# Altium PCB LimeSDR-Micro_M.2_1v0.PcbDoc (part 6 of 7)
Units mm, origin at the board's own origin, x right, y up, seen from the top; angles counter-clockwise.
Board outline 80 x 22 mm, 8 copper layers (Top, L2, L3, L4, L5, L6, L7, Bottom), stack 0.775 mm thick; 661 components, 371 nets, 2334 pads, 807 vias.
Unrouted connection lines stored in the file: 254.
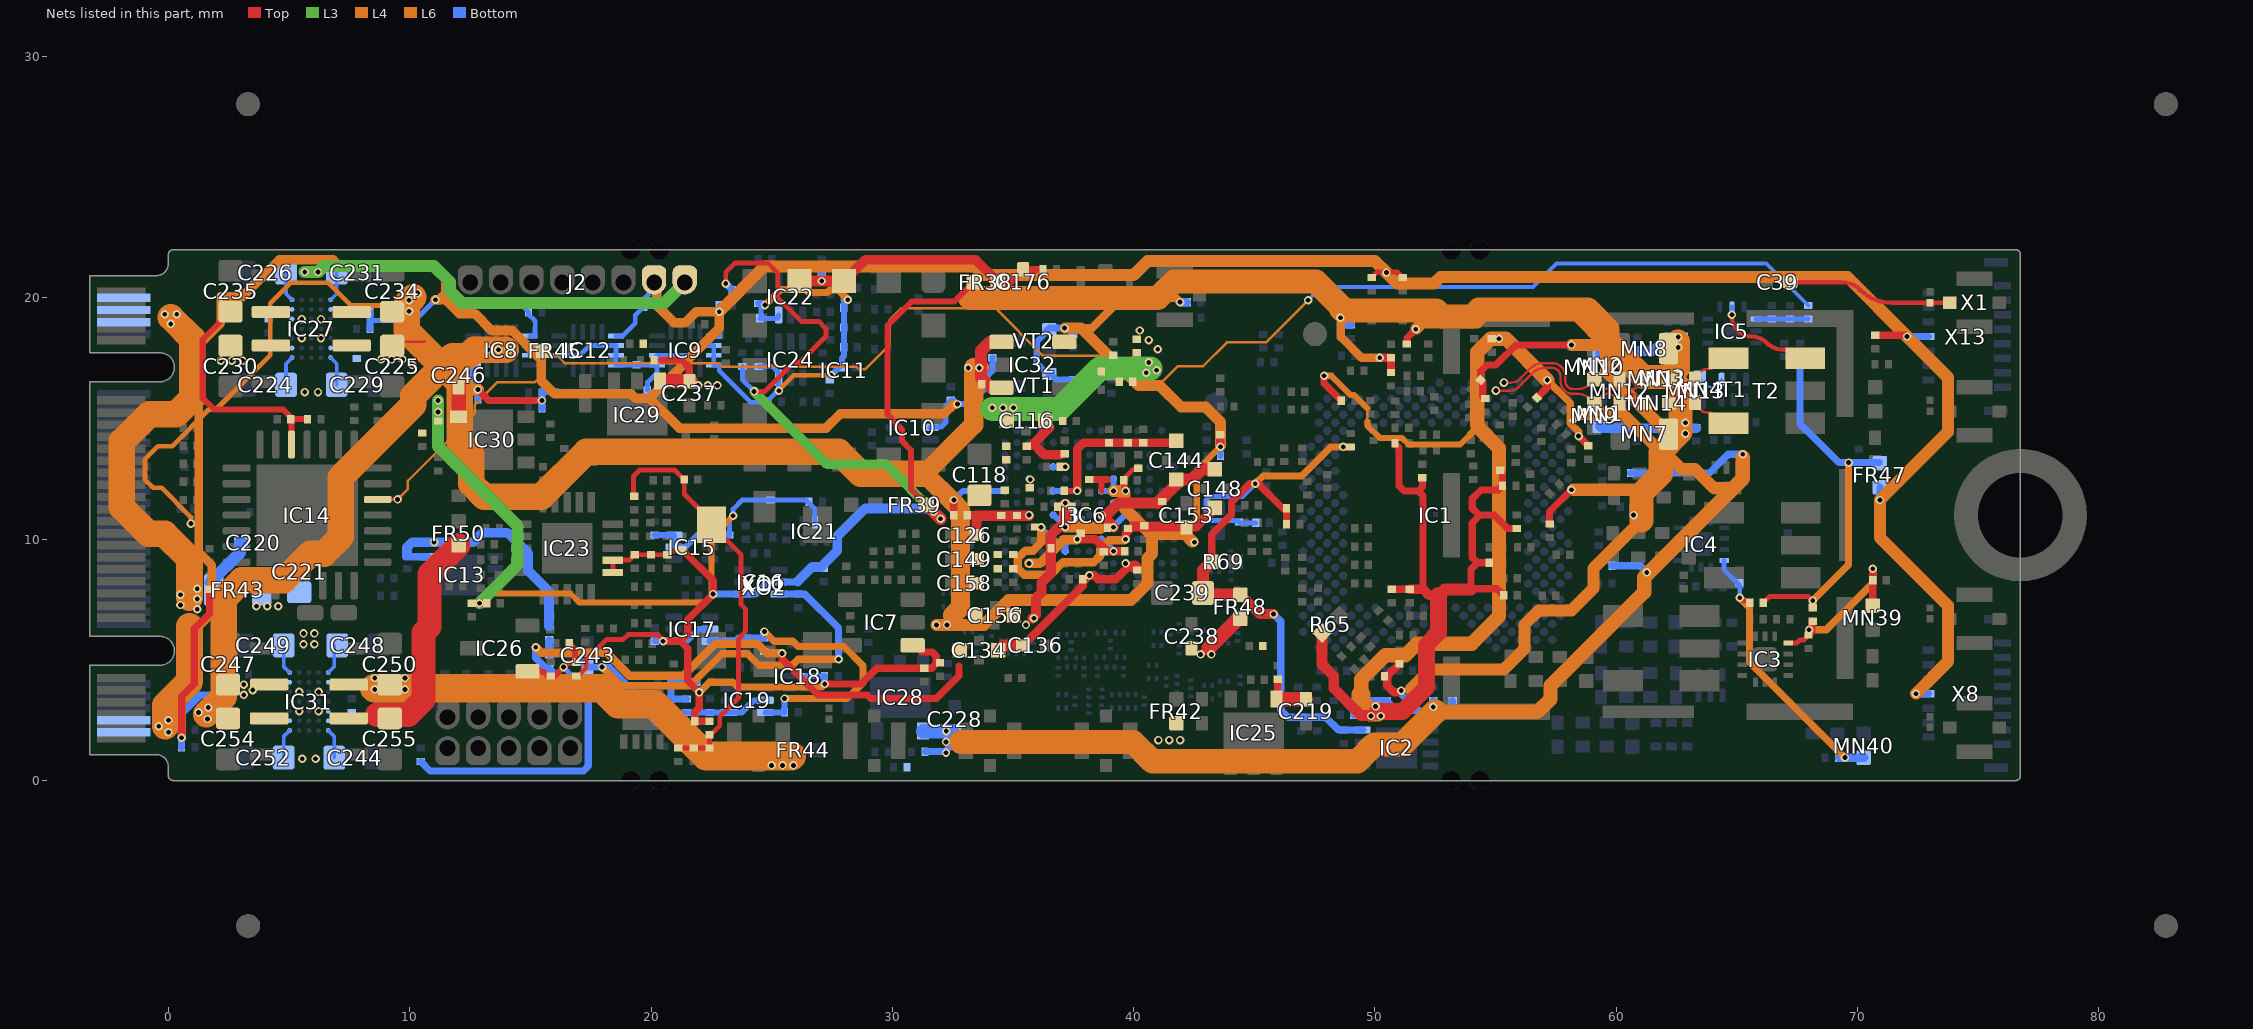
[diagram p12: the nets of this part, all layers, seen from the top]

## Via types
v1: diameter 0.35, hole 0.2, Top to Bottom, tented both sides, 696 vias
v2: diameter 0.35, hole 0.2, L5 to Bottom, tented both sides, 73 vias
v3: diameter 0.4, hole 0.2, Top to Bottom, tented both sides, 30 vias
v4: diameter 0.5, hole 0.2, Top to Bottom, tented both sides, 8 vias

## Nets (pads, with @x,y where several pads share a name; then routed paths per layer and width w, separated by ;. In a path a pad name is that pad's centre, name@x,y a point inside that pad or via, vN(x,y) a via of type N, cw(c..) or ccw(c..) an arc to the next point about the centre after c; other vN are vias at no path point) (continued)
TX1_1_B_P: MN3.2 MN4.1 T1.4 | length 2.6
  Bottom w0.1: MN3.2@62.416,16.7 62.709,16.407 ccw(c62.967,16.665) 62.966,16.3 ; 62.966,16.3 ccw(c62.965,16.665) 63.222,16.407 MN4.1@63.466,16.65 ; MN4.1@63.441,16.675 MN4.1@63.466,16.65 ; MN4.1@63.491,16.675 MN4.1@63.466,16.65 ; T1.4@64.367,16.625 ccw(c64.487,16.504) 64.317,16.504 cw(c64.112,16.504) 64.112,16.3 63.967,16.3 cw(c63.967,16.665) 63.709,16.407 MN4.1@63.466,16.65
TX1_2: IC5.5 T2.1 | length 3.4
  Top w0.18: v1(64.791,19.3) 64.791,19.221 ccw(c65.612,19.221) 65.612,18.4 cw(c65.612,17.546) 66.216,18.15 ccw(c66.94,18.874) 66.94,17.85 T2.1@67.091,17.85 ; T2.1@67.761,17.564 T2.1@67.831,17.495
  Bottom w0.2: v1(64.791,19.3) IC5.5@64.791,19.625
TX1_2_A_N: IC1.B10 MN9.1 MN12.2 MN14.1 | length 8
  Top w0.1: v1(55.013,16.157) 55.634,16.157 ccw(c55.634,16.552) 55.914,16.273 56.564,16.923 cw(c56.991,16.496) 56.991,17.1 57.341,17.1 cw(c57.341,16.75) 57.691,16.75 57.691,16.55 ccw(c58.216,16.55) 58.216,16.025 58.428,16.025 cw(c58.428,15.39) 58.877,15.839 MN9.1@59.091,15.625 59.384,15.918 cw(c59.642,15.66) 59.641,16.025 cw(c59.64,15.66) 59.897,15.918 60.141,15.675 60.116,15.65 60.384,15.918 cw(c60.642,15.66) 60.641,16.025 cw(c60.64,15.66) 60.897,15.918 MN14.1@61.191,15.625
TX1_2_A_P: IC1.A9 MN10.1 MN11.2 MN12.1 | length 7.7
  Top w0.1: v1(55.346,16.49) 55.633,16.49 ccw(c55.633,17.01) 56,16.642 ; 56.047,16.689 56,16.642 ; MN11.2@61.191,16.625 60.897,16.332 cw(c60.64,16.59) 60.641,16.225 cw(c60.642,16.59) 60.384,16.332 60.116,16.6 60.141,16.575 59.897,16.332 cw(c59.64,16.59) 59.641,16.225 cw(c59.642,16.59) 59.384,16.332 MN10.1@59.091,16.625 58.877,16.411 cw(c58.428,16.86) 58.428,16.225 58.216,16.225 cw(c58.216,16.55) 57.891,16.55 57.891,16.75 ccw(c57.341,16.75) 57.341,17.3 56.99,17.3 ccw(c56.99,16.498) 56.423,17.065 56,16.642
TX1_2_B_N: MN13.1 MN14.2 T2.4 | length 3.1
  Top w0.1: MN14.2@62.191,15.625 62.484,15.918 cw(c62.742,15.66) 62.742,16.025 ; 62.74,16.025 cw(c62.74,15.66) 62.997,15.918 MN13.1@63.266,15.65 ccw(c63.386,15.65) 63.301,15.565 63.527,15.338 ccw(c63.741,15.552) 63.741,15.25 cw(c63.741,14.127) 64.535,14.921 T2.4@64.651,14.805
TX1_2_B_P: MN11.1 MN13.2 T2.6 | length 3.1
  Top w0.1: MN11.1@62.191,16.625 62.484,16.332 ccw(c62.742,16.59) 62.742,16.225 ; 62.74,16.225 ccw(c62.74,16.59) 62.997,16.332 MN13.2@63.266,16.6 ; MN13.2@63.266,16.65 cw(c63.386,16.65) 63.301,16.735 63.527,16.962 cw(c63.741,16.748) 63.741,17.05 ccw(c63.741,18.173) 64.535,17.379 T2.6@64.651,17.495
TX_SW: IC14.26 R59.2 | length 68.5
  Top w0.15: IC14.26@8.675,11.65 v1(9.5,11.65)
  L6 w0.1: v1(9.5,11.65) 9.925,12.075 9.925,12.425 12.7,15.2 12.7,15.575 13.625,16.5 15.175,16.5 15.325,16.65 15.325,17.3 15.675,17.65 16.075,17.65 16.425,17.3 22.8,17.3 22.95,17.15 28.515,17.15 28.615,17.05 28.885,17.05 29.887,18.053 29.887,19.095 30.367,19.575 34.275,19.575 36.25,17.6 39.19,17.6 40.24,16.55 41.216,16.55 41.841,17.175 42.883,17.175 43.863,18.155 45.485,18.155 v1(47.23,19.9)
  Bottom w0.15: v1(47.23,19.9) 47.78,20.45 56.55,20.45 57.525,21.425 66.21,21.425 R59.2@67.95,19.685
TX_SW_DIV: C43.1 IC5.7 R59.1 R62.1 | length 2
  Bottom w0.2: IC5.7@65.791,19.125 C43.1@66.436,19.125 R62.1@67.2,19.125 ; R62.1@67.32,19.125 R59.1@67.95,19.125
TXA: C39.1 ESD1.1 X1.1 | length 6.9
  Top w0.18: C39.1@67.2,20.65 69.34,20.65 cw(c69.34,19.54) 70.125,20.325 ccw(c71.392,21.592) 71.392,19.8 ESD1.1@73,19.8 X1.1@73.825,19.8
VCC0P9: C139.2 C140.2 C141.2 C142.2 C143.2 C144.1 C148.1 C156.1 C225.2 IC6.G6 IC6.G10 IC6.H5 IC6.H7 IC6.H9 IC6.H11 IC6.J6 IC6.J10 IC27.C4 L2.2 | length 18.3
  Top w0.1: C225.2@9.275,18.025 9.425,18.175 10.625,18.175
  Top w0.42: v1@35.816,6.725 35.949,6.858 35.949,7.548 36.182,7.781 36.182,8.201 36.566,8.585 36.566,10.175 36.891,10.5 v1(37.167,10.5) 37.167,11.25
  Top w0.45: v1(39.167,10.5) 39.056,10.61 38.791,10.876 38.791,10.917 39.374,11.5 40.991,11.5
  Top w0.5: 40.991,11.5 41.766,12.275 C144.1@41.766,12.475 42.416,12.475 42.841,12.9 C148.1@43.366,12.9
  L6 w0.5: v1@37.166,10.525 v1@37.166,11.425 ; v1@37.216,10.525 37.891,10.525 37.941,10.475 38.616,10.475 38.866,10.725
  Bottom w0.25: IC6.H5@36.667,11 36.68,11 36.705,10.975 36.722,10.975 37.142,10.555 37.142,10.539 37.167,10.514 v1(37.167,10.5) ; v1(37.167,11.5) 37.167,11.486 37.192,11.461 37.192,11.445 37.611,11.025 37.628,11.025 37.653,11 IC6.H7@37.667,11 ; IC6.H9@38.667,11 v1(38.68,11) 38.705,11.025 38.757,11.025 39.167,11.434 IC6.J10@39.167,11.5 ; v1(39.167,10.5) 39.167,10.514 39.192,10.539 39.192,10.555 39.611,10.975 39.628,10.975 39.653,11 IC6.H11@39.667,11
  other v1: 35.541,6.45 35.866,6.725 10.1,17.225 8.825,17.45 9.25,17.45 9.7,17.45 6.325,18.325
VCC0P9_AFE_CVDD: C148.3 C152.2 C153.2 C154.2 C155.2 IC6.F5 IC6.F11 | length 12.7
  Top w0.35: v1(39.667,10) 39.667,10.226 39.816,10.375 39.966,10.525
  Top w0.4: 39.966,10.525 40.441,10.525 42.191,10.525 42.591,10.525 C148.3@43.366,11.3
  L6 w0.35: v1(36.167,10.5) 36.167,9.864 35.833,9.53 35.525,9.53 35.192,9.197 35.192,8.803 35.47,8.525 36.555,8.525 37.08,9.05 38.353,9.05 38.617,9.314 38.617,9.586 38.98,9.95 39.617,9.95 v1(39.667,10)
  Bottom w0.2: v1(36.167,10.5) IC6.F5@36.667,10
VCC0P9_AFE_SVDD: C149.2 C150.1 C151.1 C156.3 C157.2 C158.2 C159.2 C160.2 C161.2 C162.2 IC6.D3 IC6.E6 IC6.E10 IC6.F7 IC6.F9 | length 6.1
  Top w0.35: v1(37.667,10) 38.416,10 38.916,9.5 v1(39.167,9.5) C150.1@39.606,9.5
  L6 w0.4: v1(35.667,9) 36.116,9 37.091,9.975 v1@37.642,9.975
  Bottom w0.25: IC6.E6@37.167,9.5 37.167,9.801 37.366,10 v1(37.667,10) ; IC6.F9@38.667,10 38.68,10 38.705,9.975 38.722,9.975 39.157,9.54 39.157,9.51 v1(39.167,9.5)
VCC0P9_SD_SVDD: C144.3 C145.2 C146.2 C147.2 IC6.K5 IC6.K7 R84.2 | length 7.5
  Top w0.25: R84.2@37.121,12 v1(37.667,12)
  Top w0.35: v1(37.667,12) 37.666,12.001 37.666,13.75 37.916,14 38.491,14 39.266,14 39.916,14 41.691,14 C144.3@41.766,14.075
  Bottom w0.25: IC6.K5@36.667,12 v1(37.667,12)
VCC1P4_LMS: C228.2 FR22.2 FR23.2 FR24.2 FR25.2 IC28.4 R204.2 R205.1 | length 68.7
  Top w0.3: FR25.2@51.325,18.085 51.325,18.334 v1(51.691,18.7)
  L4 w0.6: 52.5,2.85 56.75,2.85 57.275,3.375 57.275,3.921 61.166,7.812 61.166,8.425 65.241,12.5 v1@65.241,13.4
  L4 w1: 32.85,1.6 39.975,1.6 40.775,0.8 49.275,0.8 49.975,1.5 51.15,1.5 52.5,2.85
  L6 w0.5: v1@51.716,18.725 51.966,18.975 54.241,18.975 54.566,19.3 58.317,19.3 59.566,18.052 59.566,16.975 61.991,14.55 61.991,13.625 62.716,12.9 63.266,12.9 64.041,12.125 64.783,12.125 65.241,12.583 v1@65.241,13.45
  Bottom w0.3: R205.1@31.35,1.2 32.19,1.2 32.486,1.496 32.486,2.046 C228.2@32.49,2.05 ; v1(52.416,3.05) FR23.2@52.416,3.32 ; FR24.2@59.821,8.9 60.991,8.9 v1(61.266,8.625) ; FR22.2@60.601,12.745 63.861,12.745 64.641,13.525 v1(65.241,13.525)
  Bottom w0.6: IC28.4@31.275,2.05 C228.2@32.49,2.05
  other v1: 32.225,1.15 32.225,1.6 32.236,2.046
VCC1P5: C247.2 FR42.1 IC31.C4 L6.2 | length 0.2
  Top w0.1: C247.2@2.325,3.825 C247.2@2.475,3.975
  other v1: 41.025,1.675 41.475,1.675 41.925,1.675 3.125,3.55 5.425,3.675 3.5,3.75 3.125,3.975
VCC1P8: C129.2 C130.2 C134.1 C163.2 C165.2 C172.2 C206.1 C216.1 C234.2 C256.1 FR46.1 FR49.1 IC6.K1 IC6.K9 IC6.K11 IC6.L10 IC8.5 IC8.14 IC8.15 IC9.5 IC9.6 IC9.14 IC9.15 IC9.16 IC12.6 IC12.14 IC12.15 IC12.16 IC22.6 IC24.6 IC27.E4 IC32.1 IC32.3 L4.2 R72.2 R86.2 R90.2 R92.1 R93.1 R94.1 R115.1 R116.1 R117.1 R118.1 R119.1 R120.1 R121.1 R122.1 R123.1 R124.1 R144.1 R145.1 R148.1 R175.2 R187.2 VT1.G VT2.G | length 182.7
  Top w0.1: C234.2@9.275,19.425 C234.2@9.425,19.275
  Top w0.2: C129.2@39.586,12.45 39.586,12.475 39.636,12.525 39.636,12.548 39.983,12.895 40.141,12.895 R94.1@40.191,12.945
  Top w0.25: R86.2@32.549,11 R86.2@32.549,11 ; 38.667,12 38.667,12.299 ; C129.2@39.586,12.45 39.611,12.425 39.611,12.083 39.667,12.027 v1(39.667,12)
  Top w0.3: v1(12.825,16.2) 13.275,15.75 v1(15.48,15.75) ; v1(25.43,5.27) 25.43,5.044 26.924,3.55 28.95,3.55 29.1,3.4 31.825,3.4 32.762,4.337 32.762,4.75 ; R86.2@32.549,11 v1(32.55,11.625) ; C130.2@38.166,12.48 38.916,12.48
  Top w0.35: v1(43.596,13.83) R93.1@43.596,14.305
  Top w0.5: IC32.3@34.525,16.275 34.1,16.275 33.675,16.7 33.675,17.8 34.05,18.175 IC32.1@34.525,18.175
  L4 w0.45: v1@37.15,18.75 37.825,18.75 40.2,16.375 41.075,16.375 41.975,15.475 42.975,15.475 43.596,14.854 v1@43.596,13.88
  L4 w0.5: 11.95,16.2 12.075,16.2 v1(12.825,16.2)
  L4 w0.8: 32.5,6.85 32.825,7.175 32.825,11.225 32.55,11.5 31.338,12.713 33.375,14.75 33.375,17.1 v1(33.6,17.1)
  L4 w1.1: 10.15,20.025 9.875,19.75 9.875,18.65 12.075,16.45 12.075,16.2 12.075,14 12.55,13.525 12.55,12.3 13.087,11.763 15.463,11.763 17.325,13.625 27.775,13.625 28.687,12.713 31.338,12.713
  L6 w0.2: v2(0.935,10.65) 0.932,10.653 0.932,10.918 -0.28,12.13 -0.633,12.13 -0.975,12.471 -0.975,13.313 -0.438,13.85 0.155,13.85 1.68,15.375 1.975,15.375 4.225,17.625 4.225,19.775 5.075,20.625 6.625,20.625 7.562,19.687 9.575,19.687 ; v1(25.3,16.15) 25.3,16.18 25.918,16.799 v1(27.47,16.799)
  L6 w0.25: 42.116,10.225 42.616,10.725 42.616,12.85 v1(43.596,13.83)
  L6 w0.3: v1(24.725,19.7) 25.375,20.35 26.401,20.35 26.526,20.225 27.299,20.225 27.399,20.325 27.751,20.325 v1(28.15,19.925)
  L6 w0.35: v1(15.225,5.525) 15.45,5.3 18.15,5.3 19.1,4.35 21.35,4.35 22.675,5.675 24.4,5.675 24.805,5.27 v1(25.43,5.27) ; v1(37.141,18.75) 38.275,18.75 39.525,20 41.75,20 v2(41.925,19.825)
  L6 w0.5: v1(31.825,6.45) 33.791,6.45 34.816,7.475 39.884,7.475 40.566,8.157 40.566,9.2 40.766,9.4 40.766,10.143 40.684,10.225 ; v1(39.167,12) v1@39.516,12 ; v1@39.616,11.9 39.616,11.293 40.684,10.225 ; v1@42.441,9.9 42.116,10.225 40.684,10.225
  Bottom w0.2: IC8.14@14.975,18.025 IC8.15@14.975,17.625 15.587,17.625 ; C172.2@15.48,16.075 R116.1@16.045,16.075 ; C172.2@15.55,16.195 15.55,17.587 15.587,17.625 ; C165.2@19.845,16.175 19.86,16.19 19.86,16.51 20.25,16.9 IC9.5@20.25,17.225 ; R187.2@24.464,17.16 25.017,17.16 25.289,16.888 IC24.6@25.289,16.69 IC24.6@25.289,16.581 ; C206.1@24.505,19.15 C206.1@24.555,19.15 ; R175.2@24.555,19.7 C206.1@24.555,19.15 ; C216.1@24.795,15.75 C216.1@24.845,15.7 24.895,15.75 24.895,15.798 25.289,16.192 IC24.6@25.289,16.581 ; C216.1@24.895,15.625 24.845,15.675 24.125,15.675 22.825,16.975 22.825,17.225 IC9.16@22.6,17.225 IC9.15@22.6,17.625 IC9.14@22.6,18.025 22.062,18.025 21.662,17.625 IC9.6@20.25,17.625 IC9.5@20.25,17.225 ; IC24.6@25.239,16.531 IC24.6@25.289,16.581 ; IC22.6@25.289,19.29 25.289,19.2 25.239,19.15 C206.1@24.555,19.15 ; 15.587,17.625 IC12.6@16.2,17.625 17.05,17.625 17.45,18.025 IC12.14@18.55,18.025 IC12.15@18.55,17.625 IC12.16@18.55,17.225 IC9.5@20.25,17.225
  Bottom w0.25: FR46.1@24.7,5.345 24.725,5.32 25.38,5.32 v1(25.43,5.27) ; v1(27.47,16.799) 27.915,17.244 27.915,17.515 27.99,17.59 R124.1@27.99,17.95 R119.1@27.99,18.775 R120.1@27.99,19.6 R118.1@27.99,20.425 R121.1@27.99,21.25 ; v1(32.55,11.625) 32.925,12 IC6.K1@34.667,12 ; VT1.G@36.511,16.84 36.386,16.965 36.326,16.965 35.986,17.305 35.986,18.19 36.336,18.54 36.336,18.59 36.461,18.715 VT2.G@36.511,18.715 ; VT1.G@36.561,16.84 36.778,16.623 R144.1@37.489,16.623 ; IC6.K9@38.667,12 v1(39.167,12) IC6.L10@39.167,12.5 ; R90.2@43.596,13.45 v1(43.596,13.83)
  Bottom w0.3: v2(0.935,10.65) R145.1@1.26,10.65 ; R72.2@10.455,0.79 10.845,0.4 17.2,0.4 17.4,0.6 17.4,3.425 17.05,3.775 16.65,3.775 15.78,4.645 FR49.1@15.775,4.645 15.656,4.645 15.225,5.076 v1(15.225,5.525) ; IC8.5@12.625,17.15 12.625,16.4 v1(12.825,16.2) 12.83,16.195 R92.1@12.83,15.8 ; R123.1@15.48,15.425 v1(15.48,15.75) C172.2@15.48,16.125 ; R175.2@24.45,19.77 24.641,19.77 24.711,19.7 v1(24.725,19.7) ; VT2.G@36.546,18.75 v1(37.141,18.75) 37.15,18.74 37.246,18.74 37.464,18.523 37.464,18.498 R148.1@37.489,18.498
  Bottom w0.35: v1@28.033,19.925 v1(28.15,19.925) ; v2(41.925,19.825) R117.1@42.195,19.825
  other v1: 32.266,6.45 42.516,9.875 33.15,17.1 6.325,19.125 9.975,19.45 9.975,19.9 10.325,20.2
VCC1P8_AFE_OTVDD: C134.3 C135.2 C136.2 C137.2 IC6.C8 IC6.D11 | length 7.3
  Top w0.35: C136.2@35.416,5.6 37.896,8.08 37.896,8.229 v1(38.167,8.5) 38.366,8.5 38.516,8.35 39.266,8.35 39.791,8.875 C135.2@39.991,8.875
  Top w0.5: C134.3@34.391,5.4 34.591,5.6 C136.2@35.416,5.6 ; C135.2@39.991,8.875 C135.2@40.049,8.875
  other v1: 39.667,9
VCC1P8_AVDD_PLAT: C126.2 C127.1 C128.1 IC6.H3 R86.1 | length 3.3
  Top w0.35: R86.1@33.159,11 33.466,11 33.491,10.975
  Top w0.42: C126.2@33.491,10.175 33.491,10.975 v1@35.666,10.975
  other v1: 35.667,11
VCC1P8_CLK: C187.1 C189.1 C240.1 FR46.2 IC17.6 IC19.6 | length 12.8
  L6 w0.3: v1(24.7,6.175) 25.1,5.775 25.875,5.775 26.1,5.55 28.001,5.55 28.78,4.771 28.78,4.055 28.125,3.4 v1(25.538,3.4)
  Bottom w0.25: IC19.6@24.738,2.825 C189.1@25.538,2.825 v1(25.538,3.4)
  Bottom w0.3: IC17.6@22.45,5.775 C187.1@23.25,5.775 23.5,5.775 23.63,5.905 C240.1@23.975,5.905 FR46.2@24.7,5.905 v1(24.7,6.175)
VCC1P8_LMS: C29.2 C30.2 C31.1 C32.1 C33.2 C34.2 C35.1 C36.1 C237.2 FR26.2 FR27.1 FR28.1 FR29.2 FR30.2 FR31.2 FR32.2 FR33.2 IC29.4 MN1.2 MN2.2 MN7.2 MN8.2 R68.2 R70.2 R71.1 R210.2 R211.1 | length 87.6
  Top w0.3: 20.45,17.425 21.265,17.425 21.586,17.104 21.586,16.554 C237.2@21.59,16.55 ; R70.2@54.566,15.83 54.541,15.83 54.541,15.855 54.466,15.93 54.466,16.512 54.364,16.614 54.382,16.631 54.382,16.966 54.641,17.225 55.016,17.225 55.841,18.05 v1(58.141,18.05) ; FR28.1@57.236,10.63 57.236,11.145 v1(58.141,12.05) ; FR26.2@58.239,14.952 58.426,15.139 v1(58.576,15.139)
  Top w0.35: v1(50.196,17.52) FR31.2@50.666,17.52 FR33.2@50.666,16.93 ; R71.1@50.421,4.325 R71.1@50.502,4.325 ; R71.1@50.477,4.3 R71.1@50.502,4.325 ; R71.1@50.527,4.325 R71.1@50.502,4.325 ; FR30.2@50.992,4.815 R71.1@50.502,4.325 ; v1@51.016,3.65 50.791,3.65 50.502,3.939 R71.1@50.502,4.325
  Top w0.6: IC29.4@20.425,16.55 C237.2@21.59,16.55 C237.2@21.64,16.55
  L4 w0.35: 48.591,19.55 48.591,18.375 49.446,17.52 v1(50.196,17.52)
  L4 w0.5: 51.466,3.775 52.291,4.6 55.341,4.6 56.191,5.45 56.191,6.45 56.79,7.049 58.14,7.049 59.05,7.959 59.05,8.784 61.041,10.775 ; v1(58.141,18.05) 59.791,18.05 ; v1@58.216,12.05 60.916,12.05 ; v1@58.591,15.2 60.266,15.2 61.841,13.625
  L4 w1: 33.225,20 41,20 41.675,20.675 47.551,20.675 48.591,19.635 48.591,19.55 ; 48.666,19.475 52.541,19.475 52.791,19.225 54.016,19.225 54.316,19.525 58.816,19.525 59.641,18.7 59.641,18.2 ; 59.791,18.05 61.116,16.725 62.2,16.725 ; 61.041,10.775 61.041,11.9 61.841,12.7 61.841,13.625 62.666,14.45 62.666,16.259 62.2,16.725 ; 62.566,18.2 62.566,17.091 62.2,16.725
  Bottom w0.3: v1@51.016,3.65 51.346,3.32 FR29.2@51.566,3.32
  Bottom w0.35: v1(48.566,19.175) 48.861,18.88 R68.2@48.991,18.88 ; v1(60.721,11) FR27.1@60.721,11.355 FR27.1@60.721,11.43
  Bottom w0.4: MN1.2@59.316,14.7 59.416,14.6 59.65,14.6 C33.2@63.316,14.6 ; MN2.2@59.316,17.7 59.416,17.8 59.65,17.8 60.866,17.8 61.521,17.8 62.096,18.375 62.331,18.14 62.566,17.905 v1(62.566,17.95)
  other v1: 51.091,3.725 62.866,14.375 62.866,14.825 21.95,16.375 22.35,16.375 22.75,16.375 62.566,18.375
VCC1P25_LMS: C219.2 FR5.2 FR6.2 FR7.2 FR8.2 FR9.2 FR10.2 FR11.2 FR12.2 FR13.2 FR14.2 FR15.2 FR16.2 FR17.2 FR18.2 FR19.2 FR20.2 FR21.2 IC25.4 R65.1 R198.2 R199.1 | length 77.3
  Top w0.3: IC25.4@45.925,3.375 45.975,3.425 R199.1@45.975,4.195 ; v1(47.891,16.775) 47.891,16.462 FR7.2@48.608,15.745 ; FR17.2@50.691,7.93 FR5.2@51.441,7.93 ; FR18.2@50.836,13.975 50.836,13.95 50.996,13.79 50.996,12.22 51.216,12 51.791,12 ; FR19.2@51.966,12.545 51.966,12.175 51.791,12 ; 51.991,7.93 51.991,11.8 51.791,12 ; FR11.2@54.736,9.025 54.249,9.025 ; FR20.2@54.841,18.305 v1(55.141,18.305) ; FR8.2@55.188,12.86 55.213,12.86 55.213,12.835 55.283,12.765 FR6.2@55.283,12.215 55.283,12.19 55.258,12.19 55.108,12.04 54.394,12.04 54.03,11.676 54.03,11.285 54.316,11 ; FR12.2@55.336,7.675 55.061,7.95 53.98,7.95 53.98,8.757 54.249,9.025 ; FR10.2@55.9,10.44 FR10.2@55.875,10.44 55.501,10.44 54.941,11 54.316,11 ; FR21.2@56.711,15.863 57.141,16.293 v1(57.141,16.593) ; v1(58.441,14.275) FR9.2@58.842,13.874 ; 54.249,9.025 54.03,9.243 54.03,10.676 54.316,10.962 54.316,11
  Top w0.4: FR5.2@51.441,7.93 51.991,7.93 52.246,7.675 52.641,7.675 52.666,7.675
  Top w0.45: R65.1@47.809,6.118 47.809,4.807 48.291,4.325 48.291,3.825 49.416,2.7 v1@49.836,2.7
  Top w0.5: 52.641,7.675 52.891,7.925 53.98,7.925
  Top w0.6: IC25.4@45.975,3.375 C219.2@47.14,3.375
  Top w0.7: 50.1,2.862 51.153,2.862 52.141,3.85 52.141,5.625 52.641,6.125 52.641,7.675
  L4 w0.11: 49.685,14.878 49.685,15.426
  L4 w0.25: v1(47.891,16.775) 48.191,16.775 48.991,15.975 49.136,15.975 49.685,15.426 ; 49.685,14.878 49.685,14.706 50.191,14.2 51.116,14.2 51.391,13.925 53.441,13.925 53.531,13.925 53.941,14.334
  L4 w0.3: 53.941,14.334 54.261,14.655
  L4 w0.6: 49.425,3.6 49.425,4.2 50.425,5.2 51.266,5.2 51.741,5.675 54.002,5.675 55.141,6.813 55.141,13.775 54.261,14.655 ; 54.241,14.75 54.241,17.75 54.796,18.305 v1(55.141,18.305) 55.428,18.305 v1(57.141,16.593)
  L4 w0.8: 49.425,3.55 49.425,3.225 49.8,2.85 50.125,2.85
  L6 w0.3: v1(57.141,16.593) 58.091,15.643 58.091,14.8 58.441,14.45 v1(58.441,14.275)
  Bottom w0.3: FR16.2@49.121,2.725 49.121,3.055 49.361,3.295 49.361,3.32 FR15.2@49.386,3.32 50.466,3.32 FR14.2@50.491,3.32 50.516,3.32 50.516,3.27 50.886,2.9 51.841,2.9 52.116,2.625 52.791,2.625 53.216,3.05 FR13.2@53.216,3.32
  other v1: 49.836,2.675 50.241,2.675 50.025,3.075
VCC1P35: C116.1 R78.2 R215.2 R217.2 | length 7.3
  L3 w1: v1@34.141,15.4 36.925,15.4 38.6,17.075 40.7,17.075
  other v1: 34.141,15.45 34.591,15.45 35.016,15.45 40.525,16.9 40.95,17 40.625,17.325
VCC1P35_AVDD_SD_PLL: C118.2 C119.2 C123.1 IC6.L3 R78.1
  other v1: 35.716,12.475
VCC1P35_LDO: C257.1 IC32.5 R217.1 R222.1
VCC1P35_SD_XVDD: C116.3 C120.2 C121.2 C122.2 IC6.M5 IC6.M6 R83.2 | length 2.9
  Top w0.3: R83.2@36.947,13 v1(37.167,13)
  Top w0.4: 35.778,13.887 C116.3@36.516,14.625 ; 36.066,13.734 36.3,13.5 36.947,13.5 ; C116.3@36.242,14.801 C116.3@36.341,14.9
  Bottom w0.25: IC6.M5@36.667,13 v1(37.167,13)
VCC1P35_SW: C230.2 IC27.C2 L3.2 R215.1
  other v1: 2.175,17.4 2.625,17.4 3.075,17.4 41,17.875 40.625,18.25 5.525,18.325 40.25,18.65
VCC1P75: C250.2 FR44.1 IC31.C2 L7.2 | length 18.4
  L4 w1.2: v1@8.55,3.825 17.975,3.825 18.625,3.175 20.125,3.175 22.275,1.025 25.825,1.025
  other v1: 25,0.625 25.45,0.625 25.9,0.625 6.225,3.675 8.55,3.775 9.8,3.775 8.55,4.25 9.8,4.25
VCC2P05: C254.2 FR45.1 IC31.E4 L8.2 | length 22.9
  Top w0.1: C254.2@2.325,2.725 C254.2@2.475,2.575
  L6 w1.1: 1.575,2.75 2.3,3.475 2.3,7.55 3.05,8.3 4.775,8.3 5.875,9.4 6.452,9.4 7.15,10.098 7.15,12.575 10.15,15.575 10.15,15.95 11.775,17.575 12.392,17.575 12.667,17.85 v1(13.25,17.85) v1(13.675,17.85) v1@13.975,17.85
  other v1: 1.625,2.55 1.25,2.825 5.425,2.875 1.65,3.025 14.1,17.85
VCC3P3: C164.1 C166.1 C168.1 C173.1 C177.1 C179.1 C235.2 C238.2 FR1.2 FR47.1 FR48.1 FR51.1 IC8.13 IC9.13 IC10.5 IC12.13 IC13.8 IC14.5 IC27.E2 J2.7 L5.2 LED1.A LED2.A pad.2@20.13,20.84 R135.1 R143.1 R149.1 R150.1 R207.1 R209.1 R219.1 R220.1 R221.1 X8.8 X13.8 | length 190.6
  Top w0.2: LED1.A@49.875,20.85 50.1,21.075 50.925,21.075 LED2.A@51.15,20.85
  Top w0.25: C235.2@2.388,19.238 1.425,18.275 1.425,15.85 1.9,15.375 4.753,15.375 5.05,15.078 5.05,14.995 C179.1@5.075,14.97 5.08,14.975 C179.1@5.095,14.975 ; C179.1@5.087,14.983 C179.1@5.095,14.975 ; IC14.5@5.1,13.925 5.1,14.97 C179.1@5.095,14.975 ; R150.1@5.765,14.975 C179.1@5.095,14.975
  Top w0.3: v1(0.55,1.775) 0.55,3.485 1.075,4.01 1.075,6.285 1.705,6.915 R135.1@1.705,7.925 ; FR1.2@70.725,18.455 71.995,18.455 v1(72.05,18.4)
  Top w0.6: 43.109,5.475 44.334,6.7 FR48.1@44.425,6.7
  L4 w0.35: v1(0.55,1.775) 0.55,3.225 1.225,3.9 1.225,6.35 1.8,6.925 1.8,8.925 1.26,9.465 1.26,18.035 2.175,18.95 v1@2.175,19.975
  L4 w0.4: v1(11.07,19.925) 11.48,19.925 12.055,19.35 12.7,19.35 13.4,18.65 14.25,18.65 15.45,17.45 15.45,16.575 16,16.025 19.175,16.025 19.363,15.837 19.937,15.837 ; J2.7@20.13,20.64 20.245,20.525 20.245,19.683 20.953,18.975 21.425,18.975 21.88,19.43 v1(22.825,19.43) 22.825,18.725 19.937,15.837 ; v1@32.55,15.6 32.15,15.2 27.85,15.2 27.25,14.6 21.175,14.6 19.937,15.837
  L4 w0.5: v1(22.825,19.43) 24.695,21.3 33.425,21.3 33.775,20.95 40,20.95 40.575,21.525 50,21.525 v1(50.475,21.05) 50.925,20.6 52.45,20.6 52.725,20.875 69.575,20.875 v1(72.05,18.4) 73.75,16.7 73.75,14.45 v1(70.925,11.625) 70.925,10.075 73.75,7.25 73.75,4.933 v1(72.418,3.6)
  L6 w0.4: v1(2.175,20.05) 3.075,20.05 4.6,21.575 6.825,21.575 7.1,21.3 10.975,21.3 11.5,20.775 11.5,20.2 11.225,19.925 v1(11.07,19.925)
  Bottom w0.2: 8.36,19.069 10.219,19.069 10.325,19.175 10.325,19.18 v1(11.07,19.925) 14.42,19.925 14.92,19.425 C164.1@14.92,19.4 14.92,19.33 15.2,19.05 15.2,19 ; IC8.13@14.975,18.425 15.2,18.425 15.2,18.75 ; 15.2,18.751 15.2,18.999 ; IC12.13@18.55,18.425 18.825,18.425 19.35,18.95 19.35,19.28 19.62,19.55 19.645,19.55 19.697,19.602 19.697,19.627 19.71,19.64 19.71,19.96 19.921,20.171 19.921,20.631 pad.2@20.13,20.84 ; IC9.13@22.6,18.425 22.825,18.425 v1(22.825,19.43) C173.1@22.825,19.7
  Bottom w0.22: IC10.5@31.575,14.625 31.604,14.654 32.029,14.654 32.225,14.85 32.225,15.55 C168.1@32.43,15.755
  Bottom w0.25: C168.1@32.43,15.755 32.545,15.755 v1(32.7,15.6) 33.2,15.6 33.85,16.25 R143.1@33.85,16.35 33.85,16.675 34.15,16.975 R149.1@34.15,17.525
  Bottom w0.3: R221.1@0.54,1.375 0.54,2.765 1.325,3.55 1.89,3.55 R219.1@2.765,4.425 ; R209.1@8.36,18.713 8.36,18.738 8.36,19.069 R207.1@8.36,19.4 ; C177.1@9.84,9.275 IC13.8@10.75,9.275 ; v1(70.925,11.625) FR47.1@70.925,12.15 ; v1(72.05,18.4) X13.8@72.943,18.4 ; v1(72.418,3.6) X8.8@72.943,3.6
  Bottom w0.4: C177.1@9.89,9.335 9.89,9.665 10.1,9.875 v1(11.012,9.875) 12.625,9.875 13.025,10.275 14.05,10.275 14.9,9.425 14.9,8.7 15.775,7.825 FR51.1@15.775,6.405
  other v1: 42.775,5.225 43.225,5.225 5.525,19.125
VCC3P3_CLK: C132.2 C133.1 C180.1 C181.2 C183.2 C188.2 C191.2 C196.2 C200.1 C203.2 C204.2 C246.2 FR38.1 FR39.2 FR40.1 FR41.1 IC7.1 IC15.1 IC15.5 IC15.6 IC16.1 IC16.5 IC17.1 IC17.5 IC18.5 IC21.5 IC23.16 IC23.17 IC30.4 R161.1 R169.2 R178.2 R179.2 R181.1 R191.2 R200.2 R214.2 R216.1 | length 116
  Top w0.2: R200.2@16.851,4.337 R200.2@16.901,4.337 16.987,4.337 17.3,4.65 17.3,4.98 18.17,5.85 18.849,5.85 19.049,6.05 20.288,6.05 20.471,5.867 20.471,5.804 v1(20.5,5.775) ; IC23.16@18.425,8.625 IC23.17@18.425,9.125 18.445,9.145 19.115,9.145 19.25,9.28 19.25,9.305 19.3,9.355 C204.2@19.325,9.355 C200.1@20,9.355 FR41.1@20.675,9.355 20.83,9.51 21.225,9.51 21.275,9.56 R179.2@21.3,9.56 ; v1(23.1,20.595) 23.1,21.055 23.495,21.45 24.833,21.45 25.25,21.033 25.25,20 26.225,19.025 26.955,19.025 27.25,18.73 27.25,18.4 26.175,17.325 25.925,17.325 24.725,16.125 v1(24.275,16.125)
  Top w0.25: FR39.2@31.425,11.425 30.775,12.075 30.775,13.693 30.394,14.074 30.394,14.556 29.8,15.15 29.8,18.85 30.8,19.85 32.575,19.85 FR38.1@33.375,20.65
  Top w0.3: C246.2@12.021,16.286 C246.2@12.025,16.29 ; C203.2@12.58,7.35 v1(12.888,7.35) R181.1@13.195,7.35 ; v1(20.5,5.775) 21.225,5.775 ; R179.2@21.3,9.56 21.325,9.56 21.325,9.535 22.575,8.285 v1(22.575,7.725) 21.525,6.675 21.525,6.075 21.225,5.775 ; R161.1@22.425,2.455 FR40.1@21.81,2.455 21.81,2.826 22,3.016 v1(22,3.65) 21.525,4.125 21.525,5.475 21.225,5.775 ; v1(27.2,4) 28.7,4 29.355,4.655 C132.2@31.325,4.655 31.63,4.655 31.825,4.85 31.825,5.15 31.65,5.325 31.22,5.325 IC7.1@30.945,5.6 ; IC7.1@30.845,5.6 IC7.1@30.945,5.6 ; IC7.1@31.045,5.6 IC7.1@30.945,5.6
  Top w0.5: FR39.2@31.425,11.425 31.475,11.375 v1(32,10.85)
  Top w0.6: IC30.4@12.025,15.125 C246.2@12.025,16.29 C246.2@12.025,16.34
  L3 w0.4: v1(24.275,16.125) 27.3,13.1 29.75,13.1 v1(31.713,11.138) v1(32,10.85)
  L3 w0.5: v1(11.175,15.75) v1(11.175,15.275) 11.175,13.85 14.475,10.55 14.475,8.937 v1(12.888,7.35)
  L4 w0.25: v1(22.575,7.725) 22.575,7.752 22.51,7.817 22.51,10.085 v1(23.4,10.975)
  L6 w0.25: v1(12.888,7.35) 13.288,7.75 16.662,7.75 17.027,7.385 22.235,7.385 v1(22.575,7.725)
  L6 w0.3: v1(22,3.65) 22.425,4.075 23.4,4.075 23.6,3.875 27.075,3.875 v1(27.2,4)
  Bottom w0.2: C181.2@23.25,10.175 23.25,10.825 v1(23.4,10.975) 23.4,11.25 23.775,11.625 C196.2@24.95,11.625 26.42,11.625 26.787,11.258 IC21.5@26.787,10.7 ; R191.2@23.789,17.16 23.789,16.611 v1(24.275,16.125)
  Bottom w0.25: C188.2@20.15,5.775 v1(20.5,5.775) IC17.1@20.95,5.775 21.475,5.775 21.975,6.275 IC17.5@22.45,6.275 ; C180.1@20.15,10.175 IC15.6@20.95,10.175 IC15.5@20.95,9.675 21.425,9.675 21.925,10.175 IC15.1@22.45,10.175 C181.2@23.25,10.175 ; IC18.5@26.438,4.325 C191.2@27.195,4.325
  Bottom w0.3: v1(22.575,7.725) IC16.1@23.8,7.725 24.325,7.725 24.825,8.225 IC16.5@25.3,8.225 26.05,8.225 26.075,8.25 ; v1(23.1,20.595) 23.345,20.35 23.37,20.35 R178.2@23.37,20.325 ; C191.2@27.195,4.325 27.195,4.005 v1(27.2,4)
  Bottom w0.4: 26.075,8.25 26.675,8.85 27.05,8.85 27.725,9.525 27.725,10.125 28.875,11.275 31.575,11.275 v1(31.713,11.138) v1@31.975,10.875
VCC3P3_GNSS: C175.2 C176.2 FR38.2 IC11.14 IC11.15 R113.2 | length 11.4
  Top w0.3: FR38.2@34.375,20.65 34.89,20.65 C176.2@35.42,21.18 R113.2@36.24,21.18
  Top w0.4: IC11.15@28,20.7 28.875,21.575 33.45,21.575 FR38.2@34.375,20.65
  Top w0.45: IC11.14@26.15,20.7 v1(27.075,20.7) IC11.15@28,20.7
  Bottom w0.3: v1(27.075,20.7) 27.08,20.705 C175.2@27.08,21.05
VCC3P3_M.2: C220.2 FR43.1 J3.P2 J3.P4 J3.P70 J3.P72 J3.P74 | length 22.2
  L6 w1.1: -0.125,2.25 -0.125,3.125 0.875,4.125 0.875,6.4 ; 0.1,19.2 1,18.3 1,15.858 0.317,15.175 -0.8,15.175 -1.925,14.05 -1.925,11.325 -0.825,10.225 -0.158,10.225 0.875,9.192 0.875,7.575
  Bottom w0.5: FR43.1@1.737,8.212 2.975,9.45 2.975,9.85 C220.2@3.025,9.85
  other v1: 0,2 -0.4,2.25 0,2.5 1.2,7.1 0.5,7.275 1.2,7.525 0.5,7.7 1.2,7.95 0.1,18.925 -0.15,19.325 0.35,19.325
VCC3P3_RF: C241.1 FR2.1 FR3.2 FR4.2 FR47.2 | length 15.6
  Top w0.2: FR4.2@66.096,7.375 66.096,7.4 66.146,7.45 66.171,7.45 66.346,7.625 67.975,7.625 v1(68.141,7.459)
  Top w0.35: FR3.2@68.141,7.19 v1(68.141,7.459)
  L4 w0.3: v1(68.141,7.459) 69.625,8.943 v1(69.625,13.175)
  Bottom w0.3: FR2.1@67.616,17.57 67.616,14.784 69.225,13.175 v1(69.625,13.175) C241.1@70.05,13.175 FR47.2@70.9,13.175
VCC3P3_RF_RX1: C37.1 C50.1 FR3.1 IC3.4 MN39.2 | length 7.2
  Top w0.2: IC3.4@67.118,5.7 67.488,5.7 67.613,5.825 67.761,5.825 C50.1@67.966,6.03
  Top w0.3: C50.1@67.966,6.03 68.116,6.18 FR3.1@68.116,6.605 ; MN39.2@70.625,7.25 C37.1@70.625,8.295 v1(70.625,8.775)
  L4 w0.3: v1(67.991,6.25) 68.7,6.25 70.625,8.175 v1(70.625,8.775)
VCC3P3_RF_RX2: C38.1 C51.1 FR4.1 IC4.4 MN40.2 | length 11.8
  Top w0.2: v1(65.116,7.575) 65.241,7.45 65.486,7.45 65.536,7.4 FR4.1@65.536,7.375
  L4 w0.3: v1(65.116,7.575) 65.525,7.166 65.525,4.903 v1(69.478,0.95)
  Bottom w0.2: IC4.4@64.468,9.125 64.468,8.722 C51.1@65.106,8.085 ; v1(65.116,7.575) C51.1@65.116,8.095
  Bottom w0.35: C38.1@69.23,0.95 v1(69.478,0.95) MN40.2@70.25,0.95 MN40.2@70.275,0.95
VCC_CLK: C255.2 FR50.1 IC31.E2 L9.2 | length 9.4
  Top w0.1: C255.2@9.175,2.575 C255.2@9.325,2.725
  Top w1: 8.65,2.725 9.325,2.725 9.95,2.725 10.575,3.35 10.575,6.125 10.825,6.375 10.825,8.55 FR50.1@12.025,9.75
  other v1: 6.225,2.875
VCC_EXT: C221.2 C224.2 C226.2 C229.2 C231.2 C233.1 C244.2 C248.2 C249.2 C252.2 C253.1 FR43.2 IC27.A1 IC27.A5 IC27.B1 IC27.B5 IC27.E1 IC27.F1 IC27.F5 IC27.G1 IC27.G5 IC31.A1 IC31.A5 IC31.B1 IC31.B5 IC31.E1 IC31.F1 IC31.F5 IC31.G1 IC31.G5 J2.8 pad.2@21.4,20.84 R208.1 | length 26.9
  L3 w0.5: v1(5.65,21.075) v1(6.2,21.075) 6.45,21.325 11,21.325 11.66,20.665 11.66,20.288 12.158,19.79 20.55,19.79 J2.8@21.4,20.64
  Bottom w0.15: C252.2@4.775,0.95 4.775,1.825 IC31.G5@5.025,2.075 ; C249.2@4.775,5.6 4.775,4.725 IC31.A5@5.025,4.475 ; C224.2@4.875,16.4 4.875,17.275 IC27.A1@5.125,17.525 ; C226.2@4.875,21.05 4.875,20.175 IC27.G1@5.125,19.925 ; IC31.G1@6.625,2.075 6.875,1.825 C244.2@6.875,0.95 ; IC31.A1@6.625,4.475 6.875,4.725 6.875,5.55 C248.2@6.875,5.6 ; IC27.A5@6.725,17.525 6.975,17.275 C229.2@6.975,16.4 ; IC27.G5@6.725,19.925 6.975,20.175 C231.2@6.975,21.05
  other v1: 5.55,0.9 6.1,0.9 5.6,5.65 6.05,5.65 5.6,6.1 6.05,6.1 3.65,7.225 4.1,7.225 4.55,7.225 5.65,16.1 6.2,16.1
VCC_VREF_DAC: C222.1 IC26.1 R170.2 R200.1 R201.1 | length 9.2
  Top w0.25: IC26.1@14.876,4.525 15.525,4.525 15.712,4.338 C222.1@15.851,4.338 16.012,4.338 v1(16.375,4.7) 16.557,4.882 16.886,4.882 R200.1@16.901,4.898 ; R201.1@16.611,5.688 16.851,5.448 R200.1@16.851,4.898
  Bottom w0.2: v1(16.375,4.7) 16.925,4.15 18.39,4.15 20.19,2.35 20.835,2.35 21.125,2.06 21.125,2.035 21.175,1.985 R170.2@21.2,1.985
VCCIO_CLK: C182.1 C190.2 C243.2 FR49.2 FR51.2 IC16.6 IC19.1 IC19.5 R153.1 | length 26.1
  L6 w0.3: v1(17.975,4.7) 18.75,3.925 21.613,3.925 22.938,5.25 24,5.25 24.475,4.775 25.85,4.775 26.1,5.025 v1(27.775,5.025)
  Bottom w0.25: v1(17.975,4.7) 18.3,4.7 20.18,2.82 R153.1@21.475,2.82 21.48,2.825 C190.2@22.438,2.825 IC19.1@23.238,2.825 23.763,2.825 24.263,3.325 IC19.5@24.738,3.325
  Bottom w0.3: FR49.2@15.775,5.255 16.82,5.255 17.225,4.85 17.275,4.85 17.375,4.75 C243.2@17.375,4.7 v1(17.975,4.7) ; IC16.6@25.3,7.725 C182.1@26.1,7.725 26.375,7.725 27.775,6.325 v1(27.775,5.025)
  Bottom w0.35: FR49.2@15.775,5.255 15.775,5.525 FR51.2@15.775,5.795
VCCIO_CLK_BIAS: C184.1 R153.2 R154.1 R159.1 | length 2.4
  Bottom w0.3: R153.2@21.475,3.38 C184.1@20.825,3.38 R154.1@20.825,4.095 20.938,4.095 20.943,4.1 R159.1@21.903,4.1
VDIO_LMS: C28.1 C239.2 FR48.2 IC2.8 R8.1 R10.2 R11.2 R12.2 R13.2 R53.2 R54.2 R69.1 | length 28.8
  Top w0.3: R69.1@43.241,9.075 43.241,10.2 44.051,11.01 44.051,11.536 44.815,12.3 v1(45.041,12.3) 45.166,12.3 46.211,11.255 46.336,11.255 R8.1@46.336,10.625 ; v1(48.686,13.826) 48.692,13.82 R10.2@48.991,13.82
  Top w0.4: FR48.2@44.425,7.7 45.225,6.9 v1(45.8,6.9)
  Top w0.5: R69.1@43.241,9.075 42.875,8.709 C239.2@42.875,7.775 42.95,7.7 FR48.2@44.425,7.7
  L4 w0.3: v1(45.041,12.3) 45.366,12.625 46.966,12.625 48.167,13.826 v1(48.686,13.826)
  Bottom w0.2: v1(45.041,12.3) 44.516,11.775 43.241,11.775 43.143,11.775 42.991,11.623 42.991,10.927 43.143,10.775 44.174,10.775 44.189,10.76 44.316,10.76 R13.2@44.366,10.71 44.401,10.675 R12.2@45.061,10.675
  Bottom w0.3: v1(45.8,6.9) 46.1,6.6 46.1,2.925 46.4,2.625 R53.2@46.955,2.625 R54.2@47.605,2.625 47.95,2.625 48.475,2.1 C28.1@48.7,2.1 IC2.8@49.5,2.1
XO_VC: C194.1 C212.2 R160.2 R161.2 R167.1 R184.1 XO1.1 XO2.1 | length 17.4
  Top w0.2: R184.1@19.3,11.78 19.275,11.805 19.275,12.605 19.545,12.875 20.975,12.875 21.3,12.55 21.325,12.55 21.375,12.5 C212.2@21.375,12.475 21.375,11.875 22.5,10.75 XO1.1@22.5,10.6 23.725,9.375 23.725,7.3 23.921,7.104 23.921,6.18 23.625,5.883 23.625,3.425 22.85,2.65 22.85,2.272 22.523,1.945 22.475,1.945 R161.2@22.425,1.895 C194.1@22.425,1.345 R167.1@21.77,1.345 R160.2@21.12,1.345
pads on no net: C39.0 C40.0 C41.0 C44.0 C44.2 C118.0 C126.0 C136.0 C149.0 C153.0 C158.0 C176.0 C218.0 C219.0 C220.0 C221.0 C224.0 C225.0 C226.0 C227.0 C228.0 C229.0 C230.0 C231.0 C234.0 C235.0 C236.0 C237.0 C238.0 C239.0 C243.0 C244.0 C245.0 C246.0 C247.0 C248.0 C249.0 C250.0 C252.0 C254.0 C255.0 F1.1 F2.1 F3.1 F4.1 F5.1 F6.1 F7.1 F8.1 FL1.1 FL2.1 FR38.0 FR39.0 FR42.0 FR43.0 FR44.0 FR45.0 FR47.0 FR48.0 FR50.0 IC1.A5 IC1.A13 IC1.A21 IC1.AA1 IC1.AA3 IC1.AB30 IC1.AB32 IC1.AC29 IC1.AC31 IC1.AC33 IC1.AD30 IC1.AD32 IC1.AE1 IC1.AE5 IC1.AE31 IC1.AE33 IC1.AF30 IC1.AF34 IC1.AG3 IC1.AG31 IC1.AG33 IC1.AH2 IC1.AH4 IC1.AH32 IC1.AJ1 IC1.AJ3 IC1.AJ5 IC1.AJ11 IC1.AJ13 IC1.AJ21 IC1.AJ27 IC1.AJ29 IC1.AJ31 IC1.AJ33 IC1.AK2 IC1.AK4 IC1.AK6 IC1.AK8 IC1.AK10 IC1.AK26 IC1.AK28 IC1.AK30 IC1.AK32 IC1.AK34 IC1.AL3 IC1.AL5 IC1.AL7 IC1.AL9 IC1.AL11 IC1.AL27 IC1.AL29 IC1.AL31 IC1.AL33 IC1.AM6 IC1.AM10 IC1.AM28 IC1.AM30 IC1.AM34 IC1.AN27 IC1.AN29 IC1.AN31 IC1.AP30 IC1.AP32 IC1.B2 IC1.B4 IC1.B12 IC1.B14 IC1.B22 IC1.C1 IC1.C3 IC1.C5 IC1.C9 IC1.C11 IC1.C13 IC1.C15 IC1.C17 IC1.C19 IC1.C31 IC1.D2 IC1.D4 IC1.D8 IC1.D10 IC1.D12 IC1.D14 IC1.D18 IC1.D22 IC1.D30 IC1.D32 IC1.E3 IC1.E9 IC1.E11 IC1.E13 IC1.E15 IC1.E23 IC1.E29 IC1.E31 IC1.F2 IC1.F4 IC1.F10 IC1.F12 IC1.F14 IC1.F16 IC1.F22 IC1.F26 IC1.F32 IC1.G1 IC1.G29 IC1.H30 IC1.J1 IC1.J31 IC1.K30 IC1.K32 IC1.K34 IC1.L31 IC1.M2 IC1.M6 IC1.M30 IC1.M32 IC1.N31 IC1.N33 IC1.P30 IC1.P32 IC1.R33 IC1.U5 IC1.V4 IC1.V6 IC1.W3 IC1.Y2 IC1.Y4 IC1.Y32 IC3.1 IC3.8 IC3.10 IC3.11 IC3.12 IC3.14 IC4.1 IC4.8 IC4.10 IC4.11 IC4.12 IC4.14 IC6.D13 IC6.F13 IC6.F14 IC6.F15 IC6.G13 IC7.0 IC8.4 IC9.11 IC9.12 IC10.3 IC11.11 IC11.12 IC14.7 IC14.10 IC14.15 IC14.16 IC21.1 IC26.0 IC27.D2 IC31.D2 IC32.0 J1.7 J3.P5 J3.P6 J3.P7 J3.P9 J3.P11 J3.P23 J3.P25 J3.P29 J3.P30 J3.P31 J3.P32 J3.P34 J3.P35 J3.P36 J3.P37 J3.P38 J3.P40 J3.P42 J3.P44 J3.P54 J3.P56 J3.P58 J3.P67 J3.P68 J3.P69 L1.0 MN1.0 MN2.0 MN3.0 MN4.0 MN5.0 MN6.0 MN7.0 MN8.0 MN9.0 MN10.0 MN11.0 MN12.0 MN13.0 MN14.0 MN15.0 MN16.0 MN17.0 MN18.0 MN19.0 MN20.0 MN21.0 MN22.0 MN23.0 MN24.0 MN25.0 MN26.0 MN27.0 MN28.0 MN29.0 MN30.0 MN31.0 MN32.0 MN33.0 MN34.0 MN35.0 MN36.0 MN37.0 MN38.0 MN39.0 MN40.0 MN41.0 R15.0 R65.0 R69.0 R151.0 T1.6 T2.2 T3.5 T3.6 T4.5 T4.6 T5.6 T6.6 T7.2 T8.2 X8.10 X8.11 X8.13 X8.14 XO1.3
copper on no net: | length 0.1
  Bottom w0.1: 57.344,10.496 57.352,10.504 ; 57.677,10.163 ccw(c57.677,10.266) 57.75,10.193

## Polygon pours and split planes (outlines as drawn)
GND on L4 "GND_L04_P013" (solid, remove dead copper, pour order 13): -3.25,1.075 -3.25,4.775 -0.35,4.775 ccw(c-0.35,5.375) -0.35,5.975 -3.25,5.975 -3.25,16.525 -0.35,16.525 ccw(c-0.35,17.125) -0.35,17.725 -3.25,17.725 -3.25,20.925 -0.5,20.925 ccw(c-0.5,21.425) 0,21.425 0,21.8 cw(c0.2,21.8) 0.2,22 76.55,22 cw(c76.55,21.8) 76.75,21.8 76.75,0.2 cw(c76.55,0.2) 76.55,0 0.2,0 cw(c0.2,0.2) 0,0.2 0,0.575 ccw(c-0.5,0.575) -0.5,1.075
VCC1P8_LMS on L4 "VCC1P8_LMS_L04_P006" (solid, remove dead copper, pour order 6): 21.575,16.725 21.575,16.075 22.3,15.35 25.25,15.35 26.699,16.799 29.774,16.799 32.475,19.5 33.475,19.5 33.475,20.45 33.05,20.875 28.95,20.875 26.575,18.5 23.775,18.5 22.875,17.6 22.45,17.6
VCC1P5 on L4 "VCC1P5_L04_P000" (solid, remove dead copper, pour order 0): 41,1.425 40.075,2.35 22.9,2.35 20.65,4.6 4.975,4.6 3.55,3.175 2.875,3.175 2,4.05 2,6.325 2.475,6.8 4.75,6.8 5.7,7.75 8.475,7.75 9.7,6.525 10,6.525 10.825,7.35 21.75,7.35 24.725,4.375 40.875,4.375 42.65,2.6 42.65,1.7 42.375,1.425
VCC_EXT on L4 "VCC_EXT_L04_P004" (solid, remove dead copper, pour order 4): 4.6,7.025 6.025,8.45 6.025,11.65 7.4,13.025 7.4,20.325 6.45,21.275 4.5,21.275 3.4,20.175 3.4,14.65 3.725,14.325 3.725,11.95 3.15,11.375 3.15,7.3 3.425,7.025
VCC0P9 on L4 "VCC0P9_L04_P002" (solid, remove dead copper, pour order 2): 9.475,18.125 10.8,16.8 10.8,12.75 12.65,10.9 19.05,10.9 21.05,12.9 27.425,12.9 29.275,11.05 29.275,8.075 31.475,5.875 33.1,5.875 34.8,7.575 36.2,7.575 36.55,7.225 36.55,5.9 35.175,4.525 28.825,4.525 25.625,7.725 25.625,9.825 24.2,11.25 23.2,11.25 19.85,7.9 10.45,7.9 7.65,10.7 7.65,17.575 8.2,18.125
GND on L3 "GND_L03_P014" (solid, remove dead copper, pour order 14): -3.25,1.075 -3.25,4.775 -0.35,4.775 ccw(c-0.35,5.375) -0.35,5.975 -3.25,5.975 -3.25,16.525 -0.35,16.525 ccw(c-0.35,17.125) -0.35,17.725 -3.25,17.725 -3.25,20.925 -0.5,20.925 ccw(c-0.5,21.425) 0,21.425 0,21.8 cw(c0.2,21.8) 0.2,22 76.55,22 cw(c76.55,21.8) 76.75,21.8 76.75,0.2 cw(c76.55,0.2) 76.55,0 0.2,0 cw(c0.2,0.2) 0,0.2 0,0.575 ccw(c-0.5,0.575) -0.5,1.075
VCC3P3 on L3 "VCC3P3_L03_P009" (solid, remove dead copper, pour order 9): 0.675,20.45 3.375,20.45 3.7,20.125 3.7,18.8 3.5,18.6 2.25,18.6 1.75,18.1 1.75,16.725 2,16.475 3.475,16.475 6.075,13.875 9.55,13.875 12.5,10.925 12.5,7.1 12.625,6.975 42.275,6.975 43.525,5.725 43.525,4.05 42.625,3.15 42.525,3.15 23.2,3.15 22.475,3.875 12.3,3.875 9.95,6.225 9.95,8.675 9.625,9 7.75,9 3.568,13.182 3.568,14.082 3.225,14.425 1.7,14.425 0.375,15.75 0.375,20.15
VCC1P35_SW on L3 "VCC1P35_SW_L03_P008" (solid, remove dead copper, pour order 8): 41.125,17.675 41.275,17.825 41.275,19.25 40.7,19.825 23.425,19.825 21.6,18 15.175,18 14.5,18.675 8.3,18.675 6.675,17.05 5.4,17.05 4.075,18.375 2.3,18.375 1.925,18 1.925,17.05 2.175,16.8 3.3,16.8 5.825,14.275 8.925,14.275 10.8,16.15 11.675,16.15 13.55,14.275 22.1,14.275 24.225,16.4 36,16.4 37.275,17.675
GND on L7 "GND_L07_P012" (solid, remove dead copper, pour order 12): -3.25,1.075 -3.25,4.775 -0.35,4.775 ccw(c-0.35,5.375) -0.35,5.975 -3.25,5.975 -3.25,16.525 -0.35,16.525 ccw(c-0.35,17.125) -0.35,17.725 -3.25,17.725 -3.25,20.925 -0.5,20.925 ccw(c-0.5,21.425) 0,21.425 0,21.8 cw(c0.2,21.8) 0.2,22 76.55,22 cw(c76.55,21.8) 76.75,21.8 76.75,0.2 cw(c76.55,0.2) 76.55,0 0.2,0 cw(c0.2,0.2) 0,0.2 0,0.575 ccw(c-0.5,0.575) -0.5,1.075
GND on L5 "GND_L05_P016" (solid, remove dead copper, pour order 16): -3.25,1.075 -3.25,4.775 -0.35,4.775 ccw(c-0.35,5.375) -0.35,5.975 -3.25,5.975 -3.25,16.525 -0.35,16.525 ccw(c-0.35,17.125) -0.35,17.725 -3.25,17.725 -3.25,20.925 -0.5,20.925 ccw(c-0.5,21.425) 0,21.425 0,21.8 cw(c0.2,21.8) 0.2,22 76.55,22 cw(c76.55,21.8) 76.75,21.8 76.75,0.2 cw(c76.55,0.2) 76.55,0 0.2,0 cw(c0.2,0.2) 0,0.2 0,0.575 ccw(c-0.5,0.575) -0.5,1.075
GND on L2 "GND_L02_P018" (solid, remove dead copper, pour order 18): -3.25,1.075 -3.25,4.775 -0.35,4.775 ccw(c-0.35,5.375) -0.35,5.975 -3.25,5.975 -3.25,16.525 -0.35,16.525 ccw(c-0.35,17.125) -0.35,17.725 -3.25,17.725 -3.25,20.925 -0.5,20.925 ccw(c-0.5,21.425) 0,21.425 0,21.8 cw(c0.2,21.8) 0.2,22 76.55,22 cw(c76.55,21.8) 76.75,21.8 76.75,0.2 cw(c76.55,0.2) 76.55,0 0.2,0 cw(c0.2,0.2) 0,0.2 0,0.575 ccw(c-0.5,0.575) -0.5,1.075
GND on L6 "GND_L06_P015" (solid, remove dead copper, pour order 15): -3.25,1.075 -3.25,4.775 -0.35,4.775 ccw(c-0.35,5.375) -0.35,5.975 -3.25,5.975 -3.25,16.525 -0.35,16.525 ccw(c-0.35,17.125) -0.35,17.725 -3.25,17.725 -3.25,20.925 -0.5,20.925 ccw(c-0.5,21.425) 0,21.425 0,21.8 cw(c0.2,21.8) 0.2,22 76.55,22 cw(c76.55,21.8) 76.75,21.8 76.75,0.2 cw(c76.55,0.2) 76.55,0 0.2,0 cw(c0.2,0.2) 0,0.2 0,0.575 ccw(c-0.5,0.575) -0.5,1.075
GND on Bottom "GND_L08_P011" (solid, remove dead copper, pour order 11): -3.25,1.075 -3.25,4.775 -0.35,4.775 ccw(c-0.35,5.375) -0.35,5.975 -3.25,5.975 -3.25,16.525 -0.35,16.525 ccw(c-0.35,17.125) -0.35,17.725 -3.25,17.725 -3.25,20.925 -0.5,20.925 ccw(c-0.5,21.425) 0,21.425 0,21.8 cw(c0.2,21.8) 0.2,22 76.55,22 cw(c76.55,21.8) 76.75,21.8 76.75,0.2 cw(c76.55,0.2) 76.55,0 0.2,0 cw(c0.2,0.2) 0,0.2 0,0.575 ccw(c-0.5,0.575) -0.5,1.075
GND on Top "GND_L01_P010" (solid, remove dead copper, pour order 10): -3.25,1.075 -3.25,4.775 -0.35,4.775 ccw(c-0.35,5.375) -0.35,5.975 -3.25,5.975 -3.25,16.525 -0.35,16.525 ccw(c-0.35,17.125) -0.35,17.725 -3.25,17.725 -3.25,20.925 -0.5,20.925 ccw(c-0.5,21.425) 0,21.425 0,21.8 cw(c0.2,21.8) 0.2,22 76.55,22 cw(c76.55,21.8) 76.75,21.8 76.75,0.2 cw(c76.55,0.2) 76.55,0 0.2,0 cw(c0.2,0.2) 0,0.2 0,0.575 ccw(c-0.5,0.575) -0.5,1.075

## Text inside footprints (layer, text, board x,y; h text height)
T2: Mechanical13 "NC" at 69.041,16.35 h0.2 r270; Mechanical13 "Sec" at 69.041,15.15 h0.2 r270; Mechanical13 "Sec*" at 69.041,17.85 h0.2 r270; Mechanical13 "Pri" at 63.241,15.05 h0.2 r270; Mechanical13 "Pri*" at 63.241,17.85 h0.2 r270
T7: Mechanical13 "Pri*" at 63.054,11.45 h0.2 r270; Mechanical13 "Pri" at 63.054,8.65 h0.2 r270; Mechanical13 "Sec*" at 68.854,11.45 h0.2 r270; Mechanical13 "Sec" at 68.854,8.75 h0.2 r270; Mechanical13 "NC" at 68.854,9.95 h0.2 r270
T8: Mechanical13 "NC" at 64.666,5.675 h0.2 r270; Mechanical13 "Sec" at 64.666,4.475 h0.2 r270; Mechanical13 "Sec*" at 64.666,7.175 h0.2 r270; Mechanical13 "Pri" at 58.866,4.375 h0.2 r270; Mechanical13 "Pri*" at 58.866,7.175 h0.2 r270
VT1: ASM BOT "S" at 36.566,15.75 h0.3; ASM BOT "D" at 35.266,16.25 h0.3; ASM BOT "G" at 36.566,16.75 h0.3
VT2: ASM BOT "S" at 36.566,17.625 h0.3; ASM BOT "D" at 35.266,18.125 h0.3; ASM BOT "G" at 36.566,18.625 h0.3
X1: ASM TOP "in" at 74.125,19.5 h0.3 r90
X2: ASM TOP "in" at 74.125,6.4 h0.3 r90
X3: ASM TOP "in" at 74.125,15 h0.3 r90
X4: ASM TOP "in" at 74.125,1.9 h0.3 r90
X5: ASM TOP "in" at 40.975,19.8 h0.3 r90
X8: ASM BOT "Connector input" at 76.05,1.4 h0.3 r270
X13: ASM BOT "Connector input" at 76.05,16.325 h0.3 r270